# Allegro board LAY-95869_A.brd (continued)
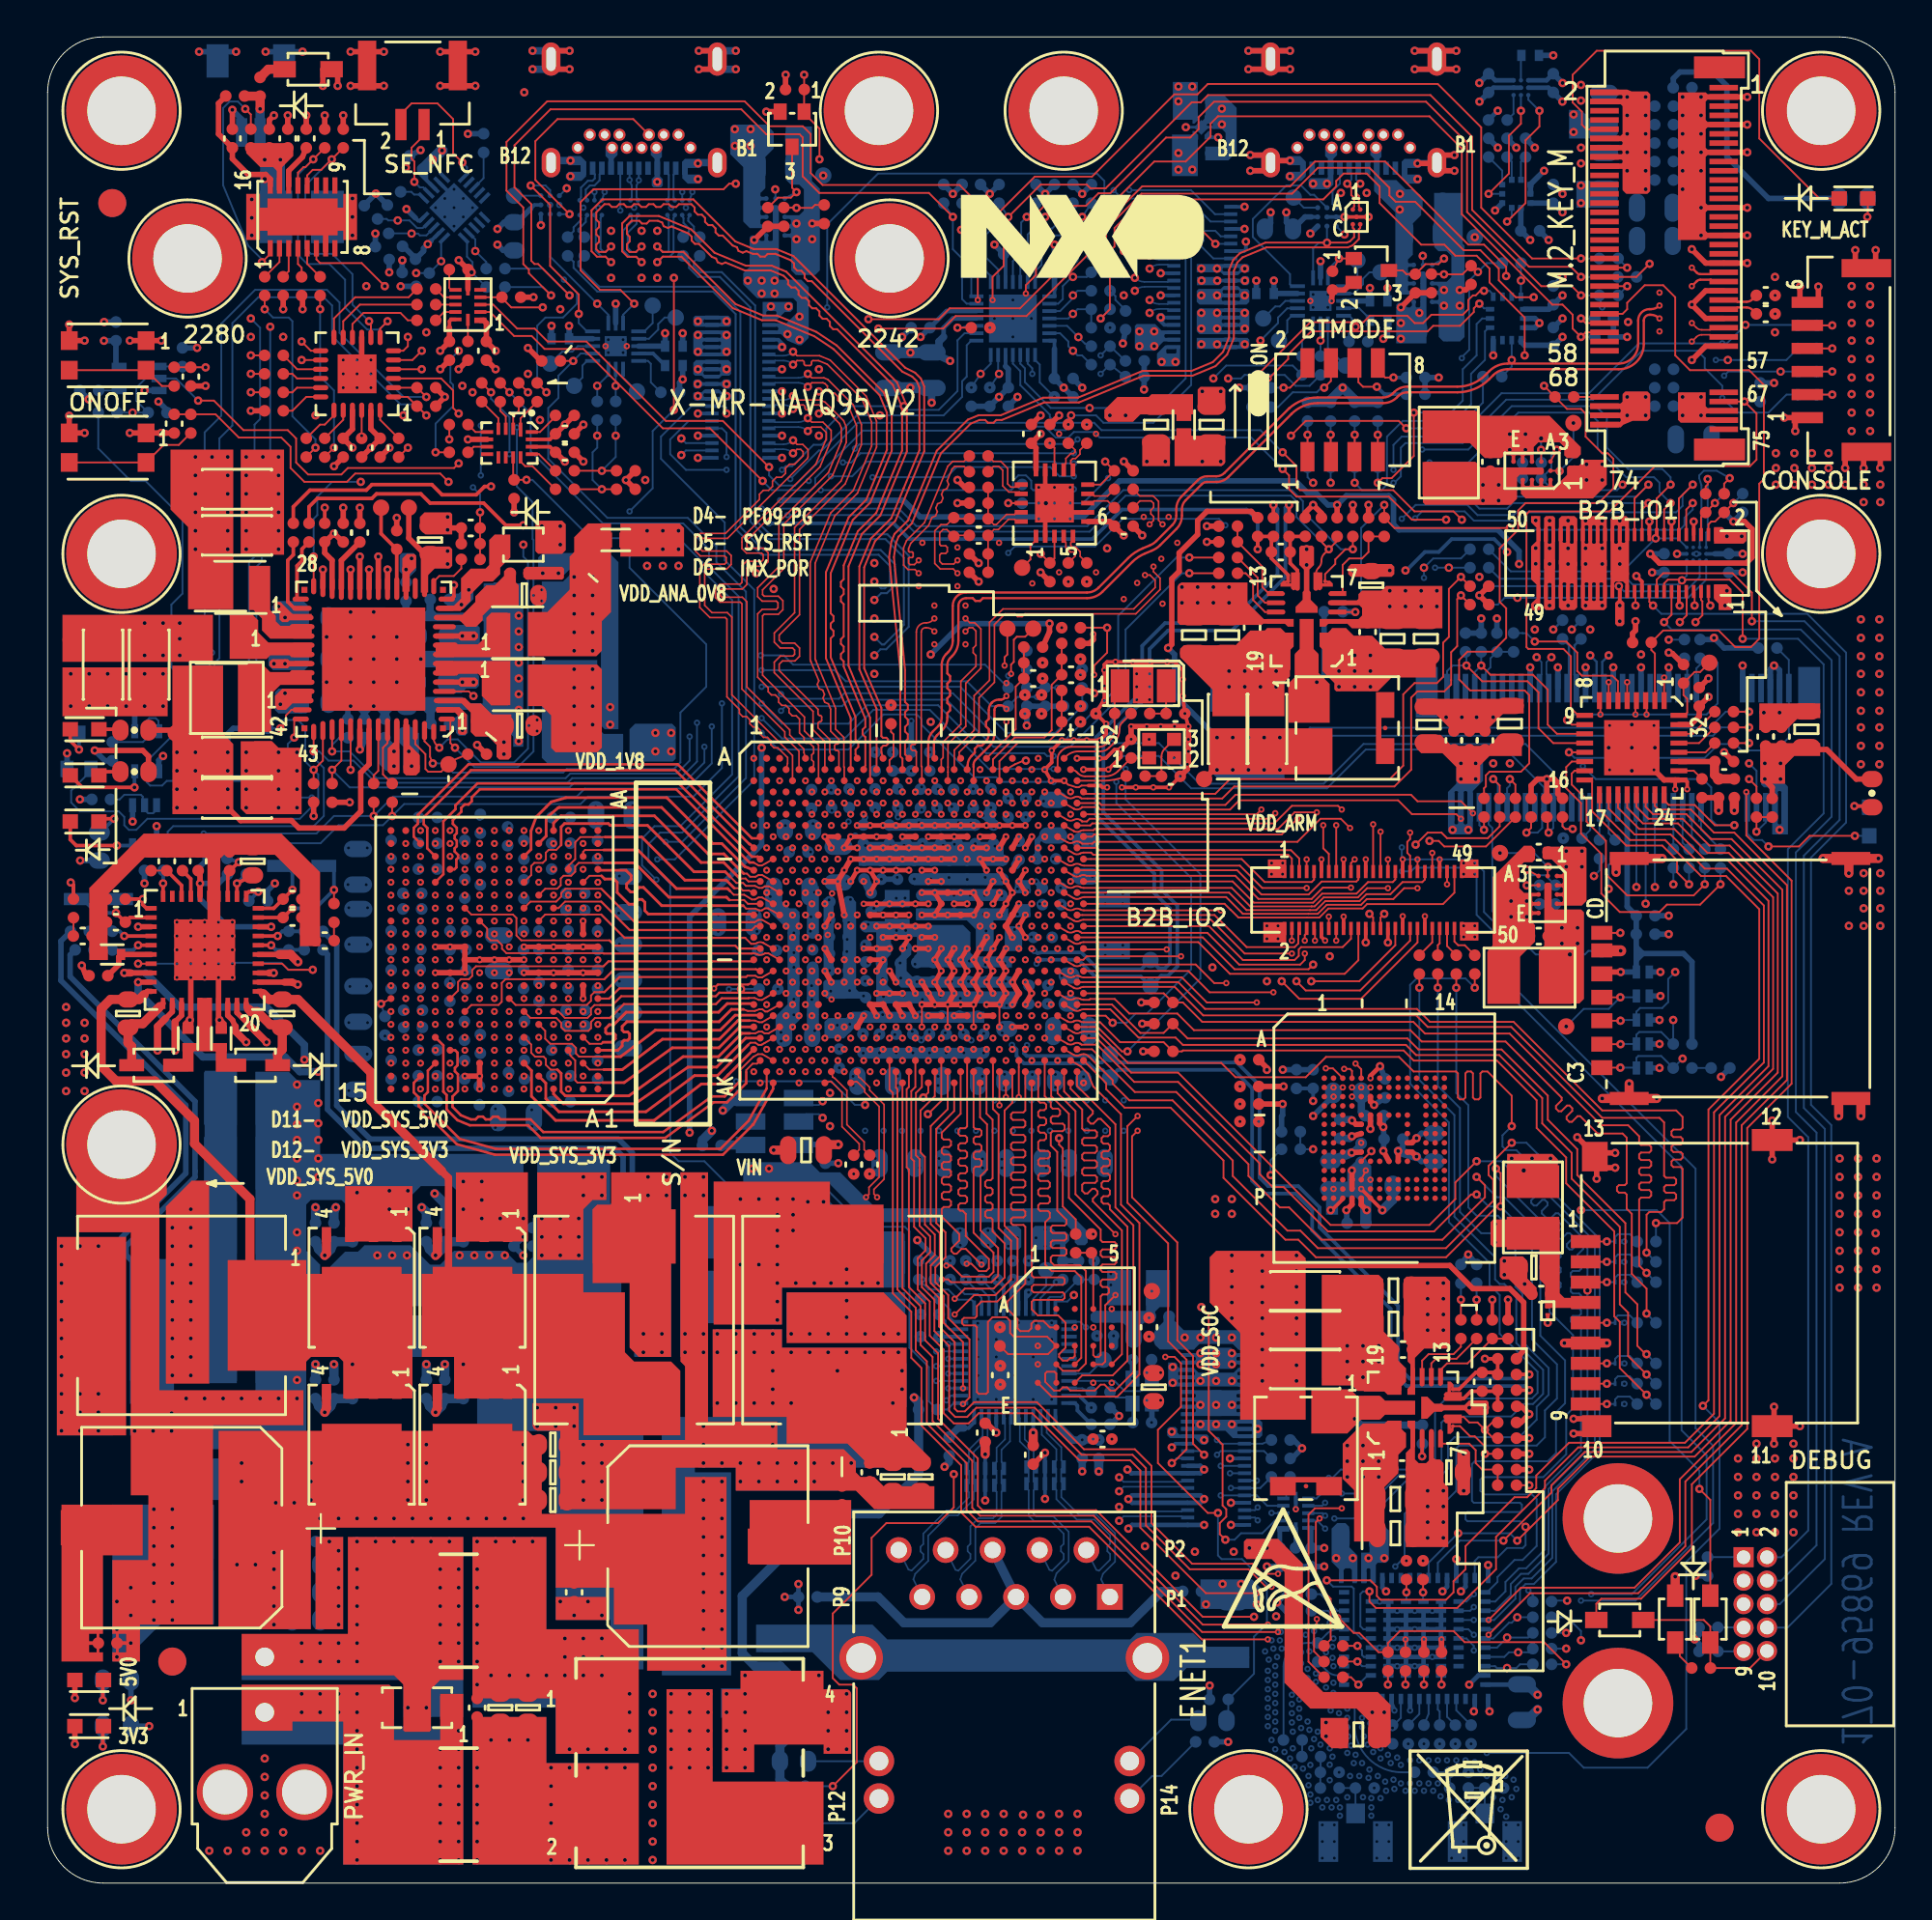
[diagram p0: board, top side]
## Routing (per net, layer and track width the routed paths; a pad name or vN(x,y) marks a point on that pad's centre or on a via; arc(x,y) is an arc through that point) (continued)
VBUS_USB1: length 3.8
  L6_POWER2 w0.25: 30.02,94 J13.B9 30.55,93.47 ; 33.48,94 J13.B4 32.95,93.47
  BOTTOM w0.2: U21.A1 v1(26.7,89.8)
  BOTTOM w0.3: U32.15 v1(30.75,85.55)
  vias: v1(33,92.15) v1(37.2,95) v1(37.2,94.1) v1(38.05,95) v1(38.05,94.1)
VBUS_USB2: length 3.6
  L6_POWER2 w0.25: 68.97,94 J12.B9 69.5,93.47 ; 71.9,93.47 J12.B4 72.43,94
  BOTTOM w0.3: U29.15 v1(68.9,87.85) ; v1(68.35,89.35) U26.A1
  vias: v1(68.5,92.05) v1(69.25,92.05) v1(73.2,91.5) v1(73.19,90.65)
VCC_SE051: length 4.6
  BOTTOM w0.2: 19.9,90.2 20.05,90.05 20.17,90.05 U25.15
  BOTTOM w0.3: R186.1 17.14,90.89 v1(17.77,91.52) R185.1 ; R187.1 v1(17.74,89.35) ; v1(19.43,90.67) 19.9,90.2 ; v1(22.75,94.75) 22.76,94.76 R172.1
  vias: v1(20.85,93.35) v1(21.35,93.85)
VDD2_CPU_DDR: length 102.4
  TOP w0.254: U14.M3 v8(27.38,50.71) U14.M5 v9(25.78,50.71)
  TOP w0.3: v8(23.38,43.01) v8(23.38,43.71) ; v8(23.38,43.71) v9(22.58,43.71) ; v8(23.38,43.71) U14.C9 ; v8(20.98,50.71) v8(21.78,50.71) U14.M10 U14.L10 ; U14.K1 v8(28.98,49.31) U14.K3 v8(27.38,49.31) U14.K5 v9(25.78,49.31) ; U9.22 v1(17.4,71.15) ; U12.W13 U12.V12 ; U14.M3 v8(28.98,50.71) U14.M1 ; v8(20.98,49.31) U14.K11 v8(22.58,49.31) U14.L10 ; U14.L10 v8(23.38,50.01) ; U14.J2 v8(28.98,47.91) ; U14.N2 v8(28.98,52.11)
  TOP w0.305: v8(25.78,50.01) v8(24.98,50.01) v8(24.18,50.01) v8(23.38,50.01)
  L4_GND2 w0.3: v8(24.98,55.61) v6(25.38,55.96) ; v6(25.38,55.96) v9(25.78,56.31) ; v6(25.38,55.96) v8(24.98,56.31) ; v8(24.98,53.51) v6(25.38,53.86) ; v6(25.38,53.86) v8(24.98,54.21) ; v6(25.38,53.86) v8(25.78,53.51) ; v8(28.98,52.11) v6(29.38,51.76) ; v8(28.98,49.31) v6(29.38,48.96) ; v8(22.58,43.01) v6(22.98,42.66) v8(23.38,43.01) ; v8(19.38,51.41) v6(18.98,51.76) v8(19.38,52.11) ; v8(21.78,50.71) v6(22.18,51.06) v9(21.78,51.41) ; v8(24.98,50.01) v6(24.58,49.66) v8(24.18,50.01) ; v8(23.38,46.51) v6(22.98,46.16) ; v6(22.98,46.16) v8(22.58,46.51) ; v6(22.98,46.16) v8(23.38,45.81) ; v8(28.98,47.91) v6(29.38,48.26) ; v9(22.58,56.31) v6(22.98,55.96) ; v6(22.98,55.96) v8(23.38,56.31) ; v6(22.98,55.96) v8(23.38,55.61) v6(23.77,55.24) v8(24.18,54.91) ; v9(26.58,48.61) v6(26.18,48.96) v9(25.78,49.31) ; v8(20.18,50.71) v6(20.58,51.06) v8(20.98,50.71) ; v9(25.78,50.71) v6(26.18,51.06) v9(26.58,51.41) ; v8(24.18,45.11) v6(23.78,44.76) ; v8(19.38,48.61) v6(18.98,48.26) v8(19.38,47.91) ; v8(27.38,50.71) v6(27.78,51.06) ; v8(18.58,50.71) v6(18.98,51.06) v8(19.38,50.71) ; v8(24.98,45.81) v6(25.38,46.16) ; v6(25.38,46.16) v8(24.98,46.51) ; v6(25.38,46.16) v8(25.78,46.51) ; v8(42.07,50.62) v6(41.68,50.78) ; v8(23.38,43.71) v6(22.98,44.06) v9(22.58,43.71) ; v8(20.18,49.31) v6(20.58,48.96) v8(20.98,49.31) ; v8(22.58,53.51) v6(22.98,53.86) ; v6(22.98,53.86) v8(23.38,53.51) ; v6(22.98,53.86) v8(23.38,54.21) ; v8(24.98,43.71) v6(25.38,44.06) ; v6(25.38,44.06) v9(25.78,43.71) ; v6(25.38,44.06) v8(24.98,44.41) ; v8(19.38,49.31) v6(18.98,48.96) v8(18.58,49.31) ; v8(27.38,49.31) v6(27.78,48.96) ; v8(22.58,49.31) v6(22.2,49.1) v8(21.78,48.61) ; v8(25.78,57.01) v6(25.38,57.36) v8(24.98,57.01) v6(24.58,57.36) v8(24.18,57.01) ; v8(23.38,50.01) v6(23.05,50.3) ; v8(25.78,50.01) v6(26.18,49.66) ; v8(28.98,50.71) v6(29.38,51.06) ; v8(23.38,57.01) v6(22.98,57.36) v8(22.58,57.01) ; v8(24.18,43.01) v6(24.58,42.66) v8(24.98,43.01) v6(25.38,42.66) v8(25.78,43.01)
  L7_GND3 w0.3: v9(20.18,48.61) v6(20.58,48.96) ; v9(22.56,49.39) v6(22.2,49.1) v9(21.8,48.85) ; v9(17.27,48.58) v6(16.82,48.57) v9(16.36,48.57) ; v6(18.98,48.26) v9(18.58,48.61) v6(18.98,48.96) ; v6(25.38,44.06) v9(25.78,43.71) ; v6(18.98,51.06) v9(18.58,51.41) v6(18.98,51.76) ; v9(24.18,49.31) v6(24.58,49.66) v9(24.98,49.31) ; v9(28.18,48.61) v6(27.78,48.96) ; v9(22.58,56.31) v6(22.98,55.96) ; v6(22.98,42.66) v9(23.38,42.31) ; v6(24.58,42.66) 24.96,43.03 v9(24.96,43.04) 25,43 v6(25.38,42.66) ; v6(24.58,57.36) v9(24.99,57.27) v6(25.38,57.36) ; v6(29.38,51.06) v9(29.78,51.41) v6(29.38,51.76) ; v9(26.58,48.61) v6(26.18,48.96) v9(25.78,49.31) v6(26.18,49.66) ; v9(31.85,50.85) v6(31.4,50.85) v9(30.95,50.85) ; v9(22.58,43.71) v6(22.98,44.06) ; v9(28.18,51.41) v6(27.78,51.06) ; v9(23.38,45.11) v6(23.78,44.76) ; v9(25.78,54.21) v6(25.38,53.86) ; v9(22.7,50.5) v6(23.05,50.3) ; v9(26.21,41.88) v6(26.22,41.43) v9(26.22,40.98) ; v6(23.77,55.24) v9(23.38,54.91) ; v9(26.58,51.41) v6(26.18,51.06) v9(25.78,50.71) ; v9(29.68,57.41) v6(29.68,57.85) v9(29.66,58.31) ; v9(21.78,51.41) v6(22.18,51.06) ; v6(29.38,48.26) v9(29.78,48.61) v6(29.38,48.96) ; v9(25.78,45.81) v6(25.38,46.16) ; v6(25.38,55.96) v9(25.78,56.31) ; v9(23.38,57.71) v6(22.98,57.36) ; v9(20.18,51.41) v6(20.58,51.06) ; v9(22.58,54.21) v6(22.98,53.86) ; v9(22.58,45.81) v6(22.98,46.16) ; v9(41.29,50.67) v6(41.68,50.78)
  L8_IN2 w0.3: v1(17.4,71.15) 16.8,70.55 9.45,70.55 v1(7.15,68.25)
  BOTTOM w0.3: v9(24.18,49.31) C283.1 v9(24.98,49.31) ; v9(26.58,51.41) C273.1 ; C355.1 v9(23.38,42.31) ; C241.1 v9(22.58,54.21) ; v9(31.85,50.85) C285.1 v9(30.95,50.85) ; v9(17.27,48.58) C310.1 v9(16.36,48.57) ; v9(21.8,48.85) 21.77,48.82 C307.1 ; C219.1 v9(22.58,56.31) ; C327.1 v9(22.58,45.81) ; C218.1 v9(25.78,56.31) ; C272.1 v9(29.78,51.41) ; C343.1 v9(22.58,43.71) ; C205.1 v9(23.38,57.71) ; C352.1 v9(24.96,43.04) ; C342.1 v9(25.78,43.71) ; C242.1 v9(25.78,54.21) ; v9(26.21,41.88) C362.1 v9(26.22,40.98) ; v9(29.66,58.31) C199.1 v9(29.68,57.41) ; C275.1 v9(18.58,51.41) ; C271.1 v9(20.18,51.41) ; C300.1 v9(18.58,48.61) ; v9(24.99,57.27) 24.96,57.27 C215.1 ; C278.1 22.7,50.51 v9(22.7,50.5) ; C296.1 v9(20.18,48.61) ; C274.1 v9(21.78,51.41) ; C326.1 v9(25.78,45.81) ; C301.1 v9(22.56,49.39) ; C306.1 v9(26.58,48.61) ; C239.1 v9(23.38,54.91) ; C277.1 v9(25.78,50.71) ; C338.1 v9(23.38,45.11) ; C276.1 v9(28.18,51.41) ; C298.1 v9(29.78,48.61) ; C299.1 v9(28.18,48.61) ; C297.1 v9(25.78,49.31)
  vias: v1(5.25,68.25) v1(5.25,66.5) v1(6.25,68.25) v1(6.25,66.5) v1(7.15,67.4) v1(7.15,66.5)
VDD_1V8: length 93.6
  TOP w0.203: v1(69.45,36.45) 69.51,36.45 70.11,37.05 U15.P3
  TOP w0.3: U12.AD34 v8(49.07,46.98) ; v1(66,44.05) 66,44.16 R292.1 ; U3.1 23.6,84.65 23.75,84.5 C7.1 23.75,83.5 v1(24.25,83) ; v1(86.75,72) 87.25,71.5 91.95,71.5 92.25,71.8 92.25,73.35 91.85,73.75 v1(91.25,73.75) ; v1(26,83.15) 26.7,82.45 R371.1 ; R78.1 v1(50.4,70.5) ; v1(71.4,36.45) 71.11,36.74 U15.P5 ; U15.N4 U15.M4 70.61,38.59 v1(70.6,38.6) ; U9.21 v1(17.9,71.85) ; R52.1 49.65,75.6 v1(49.25,76) ; R168.1 v8(75.45,13.2) ; U15.C6 71.61,42.34 v1(71.8,42.15) ; v8(46.27,46.98) U12.AC23 U12.AC25 v8(46.97,46.98) ; R21.1 v1(26.3,85.9) ; R167.1 v8(74.5,13.2) ; R297.1 v1(66.85,42.2)
  TOP w0.5: R104.1 v1(91.3,58.1) ; D13.A v1(88.1,16.6)
  L3_IN1 w0.2: v4(56.6,35.15) v8(56.6,30.1)
  L4_GND2 w0.3: v8(18.58,44.41) v6(18.18,44.06) ; v6(59.2,29.6) 59.2,29.6 v8(59.62,29.6) ; v8(74.5,13.2) 74.95,13.2 v6(75,13.25) 75.05,13.2 v8(75.45,13.2) ; v8(60.25,27.65) v6(59.85,27.4) v8(59.5,27.65) ; v8(53.6,28.1) v6(53.6,27.7) ; v8(29.78,55.61) v6(30.18,55.96) ; v8(49.07,46.98) v6(49.45,46.56) ; v8(18.58,55.61) v6(18.18,55.96) ; v8(46.97,46.98) v6(47.06,46.57) ; v8(56.6,27.1) v6(56.6,26.7) ; v8(46.27,46.98) v6(46.39,46.58) ; v8(51.55,30.11) v6(51.55,30.55) ; v8(29.78,44.41) v6(30.18,44.06) ; v8(51.57,28.02) 51.57,27.62 v6(51.55,27.6) ; v8(56.59,24.05) v6(56.59,23.65) ; v8(56.6,30.1) v6(56.6,29.7)
  L7_GND3 w0.3: v9(29.78,56.31) v6(30.18,55.96) ; v9(18.58,56.31) v6(18.18,55.96) ; v9(47.73,46.1) v6(47.06,46.57) v9(46.8,46.13) v6(46.39,46.58) ; v9(29.78,43.71) v6(30.18,44.06) ; v9(46.75,62.95) v6(46.75,63.35) ; v9(89.25,72) v6(87.85,71.1) ; v9(18.58,43.71) v6(18.18,44.06) ; v9(49.56,46.08) v6(49.45,46.56)
  BOTTOM w0.2: U31.7 54.5,83.55 54.5,83.1 ; 54.5,86.38 54.5,85.95 U31.1 ; U34.C2 v9(89.25,72) U34.B2 ; U31.12 51.85,82.16 ; C142.1 51.85,88.14 U31.24
  BOTTOM w0.25: U36.54 79.78,10.75 C429.1 ; U31.19 48.66,85.15 C154.1 ; U36.40 v1(76.25,17.55) ; C431.1 68.4,19.24 U37.11
  BOTTOM w0.3: v1(86.75,72) 87.5,72 C170.1 ; v9(16.26,54.08) C224.1 v9(17.25,54.08) ; R342.1 67,14.75 v1(66.55,15.2) 67,15.65 R340.1 ; R221.1 R220.1 51,80 v1(51.5,80.5) 52,81 C166.1 52,82.01 51.85,82.16 ; v1(70.6,38.6) 71.04,39.04 C368.1 ; R378.1 90.76,74.24 v1(91.25,73.75) 91.74,74.24 R379.1 ; C384.1 v1(69.45,36.45) ; R296.1 66.79,41.54 66.85,41.6 v1(66.85,42.2) ; R179.1 v1(54,91.5) R178.1 ; 54.5,83.1 54.5,81.71 54.49,81.7 C164.1 54.5,81.5 v1(55,81) 55.5,80.5 R219.1 ; C335.1 v3(47.29,45.65) C334.1 ; C154.1 47.75,84.25 v1(47.25,83.75) ; R139.1 v1(58.2,83.4) ; C431.1 69.09,18.16 v1(69.1,18.15) ; R180.1 v1(51,91.5) R181.1 ; R137.1 v1(56.49,89.71) ; R177.1 v1(56,91.5) R176.1 ; R136.1 67.35,23 v1(67.9,23.55) 67.45,24 R138.1 ; R254.1 v9(46.75,62.95) ; C344.1 v9(18.58,43.71) ; C377.1 v1(71.4,36.45) ; C142.1 v1(51.25,88.75) ; C345.1 v9(29.78,43.71) ; C332.1 v3(50,45.65) ; C353.1 v1(71.8,42.15) ; 54.5,86.38 54.5,87.79 54.49,87.8 C147.1 v1(54.5,88.75) ; R157.1 v1(89.21,16.64) ; C221.1 v9(18.58,56.31) ; R241.1 v1(78.45,68.5)
  BOTTOM w0.5: C429.1 80.08,10.77 v1(80.65,10.2)
  vias: v1(28.5,65.75) v1(28.5,64.75) v1(28.5,63.75) v1(28.5,62.75) v1(28.5,61.75) v1(29.5,65.75) v1(29.5,64.75) v1(29.5,63.75) v1(29.5,62.75) v1(29.5,61.75) v1(35.19,81.2) v1(36.75,81.2) v1(60.85,24.45) v1(62.46,86.8) v1(62.6,24) v1(63.31,86.8) v1(64.81,86.8) v1(71.5,17.6) v1(72.35,17.6) v1(85.1,69.2) v1(85.1,68.35)
VDD_3V3: length 111.9
  TOP w0.2: C12.1 27.19,78.2 U5.15 ; 21.75,84.25 21.75,84.6 21.85,84.7 U3.11 ; C16.1 27.19,77.8 U5.14
  TOP w0.3: 17.4,62.48 17.4,60.6 16.95,60.15 16.95,58.05 16.05,57.15 13.6,57.15 13.2,57.55 10.45,57.55 v1(9.75,58.25) ; U15.J10 73.85,39.6 v1(74.1,39.35) ; R5.1 12,95.5 v1(12.25,95.75) ; C12.1 27.5,78.5 v1(28,79) 28.5,79.5 R37.1 ; R40.1 54.26,79.01 v1(54.75,79.5) ; R102.1 R103.1 ; v8(52.22,51.23) U12.T40 U12.R41 v8(52.57,53.04) ; R247.1 6.77,62.45 TP14.1 ; U15.F5 70.82,41.1 v1(70.61,41.31) ; R66.1 v1(70.65,74.65) ; U15.K9 v1(73.11,39.65) ; R153.1 v1(80.2,23.25) ; 21.75,84.25 C6.1 21.75,83.5 v1(21.25,83) ; v1(87.75,66.65) 87.8,66.6 87.95,66.6 88.54,66.01 R90.1 ; v1(16.5,77.75) 16,78.25 C14.1 16.5,78.76 U4.21 ; v1(89.9,64.25) 89.4,63.75 C42.1 89.4,63.2 88.95,62.75 U10.31 ; R29.1 21.01,80.99 v1(21.5,80.5) 21.01,80.01 R35.1 ; 46.97,56.68 46.27,56.68 ; v1(14.9,97.35) 14.9,98.25 D1.A 15.7,98.25 v1(15.7,97.35) ; R121.1 v1(31.3,76) 31.31,76 R105.1 ; U4.23 17.5,78.76 C15.1 18,78.25 v1(17.5,77.75) 17,77.25 R45.1 ; C16.1 27.5,77.5 v1(28,77) ; U15.E6 71.61,40.85 v1(71.6,40.85) ; R6.1 v1(15,95.75) ; R79.1 v1(53.75,71) ; 16.9,62.48 v1(16.9,61.4) ; R123.1 78,70.25 v1(77.5,69.75) 78,69.25 R112.1 ; R53.1 v1(25.25,74.25) ; R107.1 v1(14.4,57.8) ; R50.1 v1(58.25,77) ; R7.1 v1(16,95.75)
  TOP w0.5: v1(42.8,40.01) 42.79,40 42.32,40 C365.1 ; R103.1 v1(90.45,58.1)
  L4_GND2 w0.3: v8(52.57,53.04) v6(52.99,53.04) ; v8(52.22,51.23) v6(52.64,51.23) ; v8(46.27,56.68) v6(46.08,57.04)
  L7_GND3 w0.3: v9(53.7,53.04) v6(52.99,53.04) ; v9(44.79,61.26) 44.79,61.69 v6(44.8,61.7) ; v9(46.02,57.74) v6(46.08,57.04) ; v9(52.75,75.76) v6(52.35,75.76) ; v9(53.25,51.25) v6(52.64,51.23) ; v9(47.75,61.26) v6(47.75,61.7)
  BOTTOM w0.2: 62.77,94.67 62.77,94.56 v1(63.36,94.56) ; 90.25,72 U34.A2
  BOTTOM w0.25: C432.1 66.7,19.19 U37.1 ; 48.5,83.75 48.5,84.25 49,84.75 U31.18 ; v1(72.35,9.25) 72.25,9.35 U36.12 ; U36.13 71.75,9.3 v1(71.7,9.25)
  BOTTOM w0.3: R243.1 R242.1 v1(77.6,68.5) ; U33.5 3.7,82.15 C156.1 v1(3.05,83.54) ; v1(9.75,61.25) 9.75,62.25 10.05,62.55 R258.1 ; v1(71.58,86.4) C152.1 U29.3 ; R193.1 v1(19.11,86.49) ; Y3.6 40.68,40.01 C363.1 v1(42.8,40.01) ; v1(6,80.25) 6.46,79.79 R229.1 ; L16.1 v1(18.49,87.25) ; v1(66,18.15) 66.69,18.15 C432.1 ; R222.1 R213.1 v1(64.5,81) ; 90.25,72 90.99,72 C169.1 91,72 v1(91.75,72) ; C366.1 73.36,39.9 v1(73.11,39.65) ; v9(46.02,58.21) v9(46.02,57.74) ; C361.1 71.6,41.28 v1(71.6,40.85) ; R183.1 v1(49,91.5) R182.1 ; U32.3 C159.1 v1(33.42,83.95) ; R217.1 R210.1 v1(75.3,81.55) ; C367.1 74.36,39.09 v1(74.1,39.35) ; U30.5 81.26,85.25 C151.1 81.5,85.5 v1(82,86) ; R239.1 90.75,66.9 v1(90.2,67.45) 90.11,67.36 R244.1 ; R133.1 R135.1 59.36,81.6 v1(59.35,80.9) ; v1(72.35,9.25) 72.15,8.77 72.15,8.2 72.8,7.55 R357.1 ; R122.1 v1(76.9,34.05) R111.1 ; R214.1 v1(2.22,80.37) ; R204.1 v1(8.09,83.16)
  BOTTOM w0.4: C364.1 70.56,41.36 v1(70.61,41.31) ; C189.1 v1(16.9,61.4) ; C361.1 71.11,41.77 C375.1 ; 48.5,83.75 48.25,83.5 48.25,82.92 ; v1(48.85,82.45) C162.1
  BOTTOM w0.5: C162.1 48.25,82.92 ; R300.1 35.44,40.24 v1(35.95,40.75) ; v1(74.1,39.35) v1(73.11,39.65) ; R338.1 v1(56.9,22.3)
  BOTTOM w0.6: C163.1 45.57,82.9 v1(46.7,82.9) 47.83,82.9 C162.1
  vias: v1(7,61.25) v1(7,60.25) v1(7,59.25) v1(7,58.25) v1(8,61.25) v1(8,60.25) v1(8,59.25) v1(8,58.25) v1(9.75,60.25) v1(9.75,59.25) v1(18.75,61.3) v1(18.75,60.5) v1(22.45,63.1) v1(22.45,62.45) v1(26.75,73.5) v1(27.75,73.5) v1(27.75,72.5) v1(38.15,38.7) v1(39.05,38.7) v1(61.21,93.71) v1(61.21,92.81) v1(61.96,92.81) v1(62.5,77) v1(63.5,77) v1(65.05,18.15) v6(45.25,58.35)
VDD_3V3_M2_KEYB: length 9.8
  TOP w0.3: C51.1 95.33,61.4 96.3,61.4 97.9,59.8 R106.1 ; R118.1 81.75,59.01 81.75,59.6 81.55,59.8 v1(81.15,59.8) ; R116.1 80.3,59.45 80.65,59.8 v1(81.15,59.8) ; R117.1 v1(81.15,59.8) ; R120.1 93.35,59.35 92.95,59.75 v1(92.95,59.8)
  vias: v1(76.05,57.05) v1(76.5,60.65) v1(76.5,59.8) v1(76.9,57.05) v1(77.3,60.65) v1(77.3,59.8) v1(82.2,55.9) v1(82.2,55.05) v1(83.05,55.9) v1(83.05,55.05) v1(92.95,60.65) v1(93.8,60.65) v1(93.8,59.8) v1(93.75,57.05)
VDD_3V3_M2_KEYM: length 17.7
  TOP w0.3: v1(85.95,68.35) 85.95,67.85 85.79,67.69 R87.1
  BOTTOM w0.3: R184.1 93.15,91.25 90.9,93.5 90.9,97.35 90.15,98.1 88.35,98.1 88,97.75 88,97.36 88.05,97.31 C120.1 ; v1(85.5,83.75) R201.1 R198.1
  vias: v1(83,97.4) v1(83,96.55) v1(83,94) v1(83,93.15) v1(83.3,76.85) v1(83.3,76) v1(84.15,76.85) v1(84.15,76) v1(85.5,96.75) v1(85.5,95.75) v1(85.5,94.75) v1(85.5,93.75) v1(85.5,92.75) v1(85.5,80.5) v1(85.5,79.5) v1(86.5,96.75) v1(86.5,95.75) v1(86.5,94.75) v1(86.5,93.75) v1(86.5,92.75) v1(86.5,91.75) v1(86.5,80.5) v1(86.5,79.5)
VDD_ANA_0V8: length 20.7
  TOP w0.3: U9.20 v1(18.4,71.15)
  L4_GND2 w0.3: v6(43.21,51.51) v8(43.47,51.83) ; v6(43.82,48.37) v8(43.82,48.8) v6(43.81,49.21) v8(44.17,49.41) ; v6(42.95,49.4) 42.96,49.41 v8(43.47,49.41) ; v8(43.82,52.45) v6(43.65,52.91) ; v8(44.17,51.83) v6(44.17,51.38) ; v8(43.82,50.02) 43.66,50.37 43.67,50.39 v6(43.66,50.41)
  L7_GND3 w0.3: v9(43.26,50.46) v6(43.66,50.41) ; v9(43.28,51.12) v6(43.21,51.51) v9(43.37,52.02) ; v9(44.16,48.05) v6(43.82,48.37) v9(43.41,48.34) ; v6(42.95,49.4) v9(43.35,49.45) v6(43.81,49.21) ; v9(43.46,53.28) v6(43.65,52.91) ; v10(43.73,51.62) v6(44.17,51.38)
  L8_IN2 w0.3: v1(28.5,69.75) 28.1,70.15 24.1,70.15 22.5,68.55 21,68.55 v1(18.4,71.15)
  vias: v1(28.5,70.75) v1(28.5,68.75) v1(28.5,67.75) v1(28.5,66.75) v1(29.5,70.75) v1(29.5,69.75) v1(29.5,68.75) v1(29.5,67.75) v1(29.5,66.75) v3(42.39,48.31) v9(37.95,52.05) v9(38.4,52.55) v9(38.4,51.55)
VDD_ANA_0V8_F: length 20.1
  TOP w0.254: U12.H22 v8(44.87,56.68) v8(43.47,56.68) v8(43.12,56.07) v8(43.82,56.08) ; v8(50.12,56.07) v8(50.82,56.08)
  TOP w0.3: U12.AD30 v8(47.67,46.98) ; 51.17,56.68 50.47,56.68 ; U12.AE17 v8(44.17,46.98)
  L4_GND2 w0.3: v8(44.17,46.98) v6(43.97,46.48) ; v6(50.34,57.06) v8(50.47,56.68) ; v8(43.82,56.08) v6(43.48,56.27) ; v6(43.48,56.27) v8(43.47,56.68) v6(43.36,57.08) ; v6(43.48,56.27) v8(43.12,56.07) ; v8(50.12,56.07) v8(50.82,56.08) v6(51.3,56.68) ; v8(44.87,56.68) v6(44.25,56.72) ; v8(47.67,46.98) v6(48.06,46.88)
  L7_GND3 w0.3: v9(51.06,58.25) v9(50.63,57.83) v6(50.34,57.06) ; v9(44.14,46.01) v6(43.97,46.48) ; v9(43.72,56.73) v6(44.25,56.72) ; v9(43.72,56.73) v6(43.48,56.27) ; v9(43.72,56.73) v6(43.36,57.08) v9(43.35,57.5) ; v9(48.58,46.05) v6(48.06,46.88) ; v9(51.21,57.17) v6(51.3,56.68)
  BOTTOM w0.3: v9(50.63,57.83) 51.12,57.85 ; v9(50.63,57.83) v9(51.06,58.25) 51.12,57.85 ; v9(50.63,57.83) C207.1 ; 51.12,57.85 C207.1 ; C207.1 v9(51.21,57.17) ; C214.1 v9(44.25,57.73)
  vias: v1(32.45,73.25) v1(32.45,72.25) v1(33.3,73.25) v1(33.3,72.25) v1(34.15,73.25) v1(34.15,72.25) v9(44.8,58.12) v9(53.3,43.8) v9(53.3,43.1) v9(54.55,43.8) v9(54.55,43.1)
VDD_ANA_1V8_F: length 24.2
  TOP w0.254: v8(42.42,56.07) v8(42.07,56.68) U12.H14
  TOP w0.3: v8(52.22,47.59) U12.AB42 ; U12.AB42 v8(52.22,48.8) ; U12.AB42 v8(52.22,48.8) ; v8(52.22,48.8) U12.Y42 ; v8(45.57,46.98) U12.AC21 U12.AC19 v8(44.87,46.98) ; 47.67,56.68 49.77,56.68 ; U12.L41 v8(52.57,55.47)
  L4_GND2 w0.3: v8(52.22,47.59) v6(52.5,47.88) ; v8(42.07,56.68) v6(42.48,56.76) ; v8(44.87,46.98) v6(44.79,46.54) ; v8(45.57,46.98) v6(45.44,46.55) ; v8(49.07,56.68) v6(48.82,57.18) ; v8(42.07,55.47) v6(41.65,55.58) ; v8(52.22,48.8) v6(52.48,48.48) ; v8(47.67,56.68) v6(47.55,57.06) ; v8(52.57,55.47) v6(52.98,55.48)
  L7_GND3 w0.3: v9(45.03,45.99) v6(44.79,46.54) ; v6(47.55,57.06) 47.6,57.11 47.6,57.73 v9(47.31,58.13) ; v9(53.42,55.48) v6(52.98,55.48) ; v6(41.65,55.58) v9(41.3,55.85) v6(41.05,55.45) ; v9(52.99,47.69) v6(52.5,47.88) v6(52.48,48.48) v9(53,48.58) ; v9(45.85,45.96) v6(45.44,46.55) ; v9(41.44,56.71) v6(41.17,57.07) v9(41.43,57.39) ; v9(42.45,58.1) v6(42.48,56.76) ; v9(48.94,58.31) 48.82,58.02 v6(48.82,57.18)
  BOTTOM w0.3: C309.1 v9(52.99,47.69) ; C304.1 v9(53,48.58)
  BOTTOM w0.305: C204.1 53.88,56.74 53.57,56.44 53.57,55.62 v9(53.42,55.48)
  vias: v1(32.9,62.3) v1(32.9,61.3) v1(33.75,62.3) v1(33.75,61.3) v8(42.42,54.86) v8(42.77,55.47)
VDD_ARM: length 44.9
  TOP w0.254: v8(47.32,51.23) 48.02,51.23 v8(48.02,51.22) ; v8(48.02,53.65) U12.P30 v8(48.02,52.44) ; v8(48.02,53.65) v8(49.42,53.65) v8(50.12,53.65) U12.P36 v8(50.12,52.44) U12.R33 v8(48.72,52.44) v8(48.02,52.44) ; v8(48.02,53.65) v8(47.32,53.65) ; v8(48.02,52.44) v9(47.32,52.44) ; v8(47.32,54.86) v8(48.02,54.86) ; v8(50.82,53.65) v8(51.17,54.26)
  TOP w0.3: TP17.1 63.1,60.3 v1(63.3,60.3) ; v1(60.65,66.9) 60.85,67.1 60.85,70.65 61.25,71.05 61.25,72.05 62.25,73.05 62.25,73.8 62.75,74.3 65.15,74.3 65.49,73.96 R61.2
  L4_GND2 w0.3: v8(48.02,51.22) v6(48.4,51.4) ; v6(51.23,52.44) v8(50.82,52.44) v6(50.67,52.05) ; v8(48.02,54.86) v6(48.45,54.8) ; v6(47.49,52.03) v6(48.11,52.04) v8(48.02,52.44) ; v6(47.49,52.03) v9(47.32,52.44) ; v6(47.49,52.03) v8(47.32,51.23) ; v8(50.82,53.65) v6(50.81,54.06) v8(51.17,54.26) ; v8(49.42,53.65) v6(49.42,54.05) ; v8(50.12,52.44) v6(50.09,52.02) ; v8(47.32,54.86) v6(47.34,54.43) ; v8(48.02,53.65) v6(47.75,53.95) ; v8(50.12,53.65) v6(50.04,54.05) ; v8(47.32,53.65) v6(46.95,53.85) ; v8(48.72,52.44) v6(48.85,52.05)
  L7_GND3 w0.3: v9(50.66,52.47) 50.67,52.46 v6(50.67,52.05) ; v9(47.32,52.44) v6(47.49,52.03) ; v9(51.69,54.34) v6(51.44,53.98) ; v9(56.56,54.53) v6(56.19,54.71) v9(55.81,54.54) ; v6(48.84,54.05) v9(48.79,54.47) v6(48.45,54.8) ; v9(50.8,51.58) v6(50.49,51.3) v9(50.77,50.98) ; v9(48.96,52.44) v6(48.85,52.05) ; v9(49.95,52.4) v6(50.09,52.02) ; v6(51.23,52.44) 51.63,52.46 v9(51.65,52.46) ; v9(48.17,52.44) v6(48.11,52.04) ; v6(47.75,53.95) v9(47.81,54.38) v6(47.34,54.43) v9(46.91,54.39) v6(46.95,53.85) ; v6(50.04,54.05) v9(49.78,54.36) v6(49.42,54.05) ; v9(50.75,54.48) v6(50.81,54.06)
  BOTTOM w0.3: v1(63.3,62.05) 61,64.35 61,66.55 v1(60.65,66.9)
  vias: v1(64.15,62.05) v1(64.15,60.3) v1(65,62.05) v1(65,60.3) v1(65.85,62.05) v1(65.85,60.3) v1(66.7,62.05) v1(66.7,60.3) v6(55.92,53.76) v6(55.92,52.65) v6(55.94,51.48) v6(55.94,50.35) v6(56.57,59.65) v6(56.6,58.44) v6(56.9,53.3) v6(57.25,54.05) v6(57.25,52.6) v6(57.25,49.34) v6(57.71,53.29) v6(58.2,54.05) v6(58.2,52.6) v6(58.2,49.35) v6(58.35,59.2) v6(59.25,58.8) v9(57.25,53.6) v9(57.25,53.05) v9(58.2,53.6) v9(58.2,53.05)
VDD_ARM_SENSE: length 42.5
  TOP w0.2: R62.2 v1(66.35,74.65)
  L4_GND2 w0.3: v8(52.57,50.62) v6(52.99,50.55)
  L7_GND3 w0.3: v9(53.41,50.49) v6(52.99,50.55)
  BOTTOM w0.2: v9(53.41,50.49) 53.58,50.37 53.81,50.41 55.95,50.41 56.87,49.5 59.2,49.5 TP39.1 60.15,49.55 60.48,49.55 60.75,49.82 60.75,52.78 59.9,53.63 59.9,54.68 56.75,57.83 56.75,62.07 59.25,64.57 59.25,67.02 60.48,68.25 63.93,68.25 66.58,70.89 66.58,74.42 v1(66.35,74.65)
VDD_BAT:
  vias: v1(13.75,10.25) v1(13.75,9.25) v1(14.75,10.25) v1(14.75,9.25) v1(15.75,10.25) v1(15.75,9.25) v1(16.75,10.25) v1(16.75,9.25) v1(16.75,8.25) v1(16.75,7.25) v1(16.75,6.25) v1(16.75,5.25) v1(16.75,4.25) v1(16.75,3.25) v1(16.75,2.25) v1(16.75,1.25) v1(21.25,7.25) v1(21.25,6.25) v1(21.25,5.25) v1(21.25,4.25) v1(21.25,3.25) v1(21.25,2.25) v1(21.25,1.25) v1(22.25,8.25) v1(22.25,7.25) v1(22.25,6.25) v1(22.25,5.25) v1(22.25,4.25) v1(22.25,3.25) v1(22.25,2.25) v1(22.25,1.25)
VDD_BATF:
  vias: v1(23.25,7.25) v1(23.25,6.25) v1(23.25,5.25) v1(23.25,4.25) v1(23.25,3.25) v1(23.25,2.25) v1(23.25,1.25) v1(24,7.75) v1(25,7.75) v1(26,7.75) v1(27.25,6.25) v1(27.25,5.25) v1(27.25,4.25) v1(27.25,3.25) v1(27.25,2.25) v1(27.25,1.25) v1(28.25,6.25) v1(28.25,1.25) v1(29.25,6.25) v1(29.25,1.25) v1(30.25,6.25) v1(30.25,1.25) v1(31.25,6.25) v1(31.25,1.25)
VDD_BATFC:
  vias: v1(33.75,10.25) v1(33.75,9.25) v1(33.75,8.25) v1(33.75,7.25) v1(33.75,6.25) v1(34.75,10.25) v1(34.75,9.25) v1(34.75,8.25) v1(34.75,7.25) v1(34.75,6.25) v1(35.75,10.25) v1(35.75,9.25) v1(35.75,8.25) v1(35.75,7.25) v1(35.75,6.25) v1(36.25,29.75) v1(36.25,28.75) v1(36.25,26) v1(37.25,29.75) v1(37.25,28.75) v1(37.25,26) v1(38.25,29.75) v1(38.25,28.75) v1(38.25,26) v1(39.25,29.75) v1(39.25,28.75) v1(39.25,27.75) v1(39.25,26.75) v1(39.25,26) v1(40.25,28.75) v1(40.25,26) v1(41.25,28.75) v1(42.25,28.75) v1(42.75,27.75) v1(43.25,28.75) v1(44.25,28.75) v1(45.25,28.75) v1(45.75,26) v1(46.05,28.75) v1(46.25,27.75) v1(46.25,26.75)
VDD_BBSM_0V8: length 1.8
  TOP w0.3: U12.J41 52.57,56.68
  L4_GND2 w0.3: v8(52.57,56.68) v6(52.75,57.05)
  L7_GND3 w0.3: v6(52.75,57.05) v9(52.95,57.74)
VDD_BBSM_1V8: length 8.7
  TOP w0.3: TP4.1 19.55,72.85 20.41,71.99 C28.1 ; v8(51.52,56.07) 51.87,56.68
  L4_GND2 w0.3: v8(51.52,56.07) v8(51.87,56.68) v6(51.72,57.19)